# Altium PCB IFAT6.PcbDoc (part 1 of 5)
Units mil, origin at the board's own origin, x right, y up, seen from the top; angles counter-clockwise.
Board outline 8050 x 4300 mil, 6 copper layers (Top Digital, Digital, GND, Analog 1, Analog 2, Bottom Analog), stack 61.068 mil thick; 589 components, 259 nets, 1804 pads, 310 vias.
Unrouted connection lines stored in the file: 819.
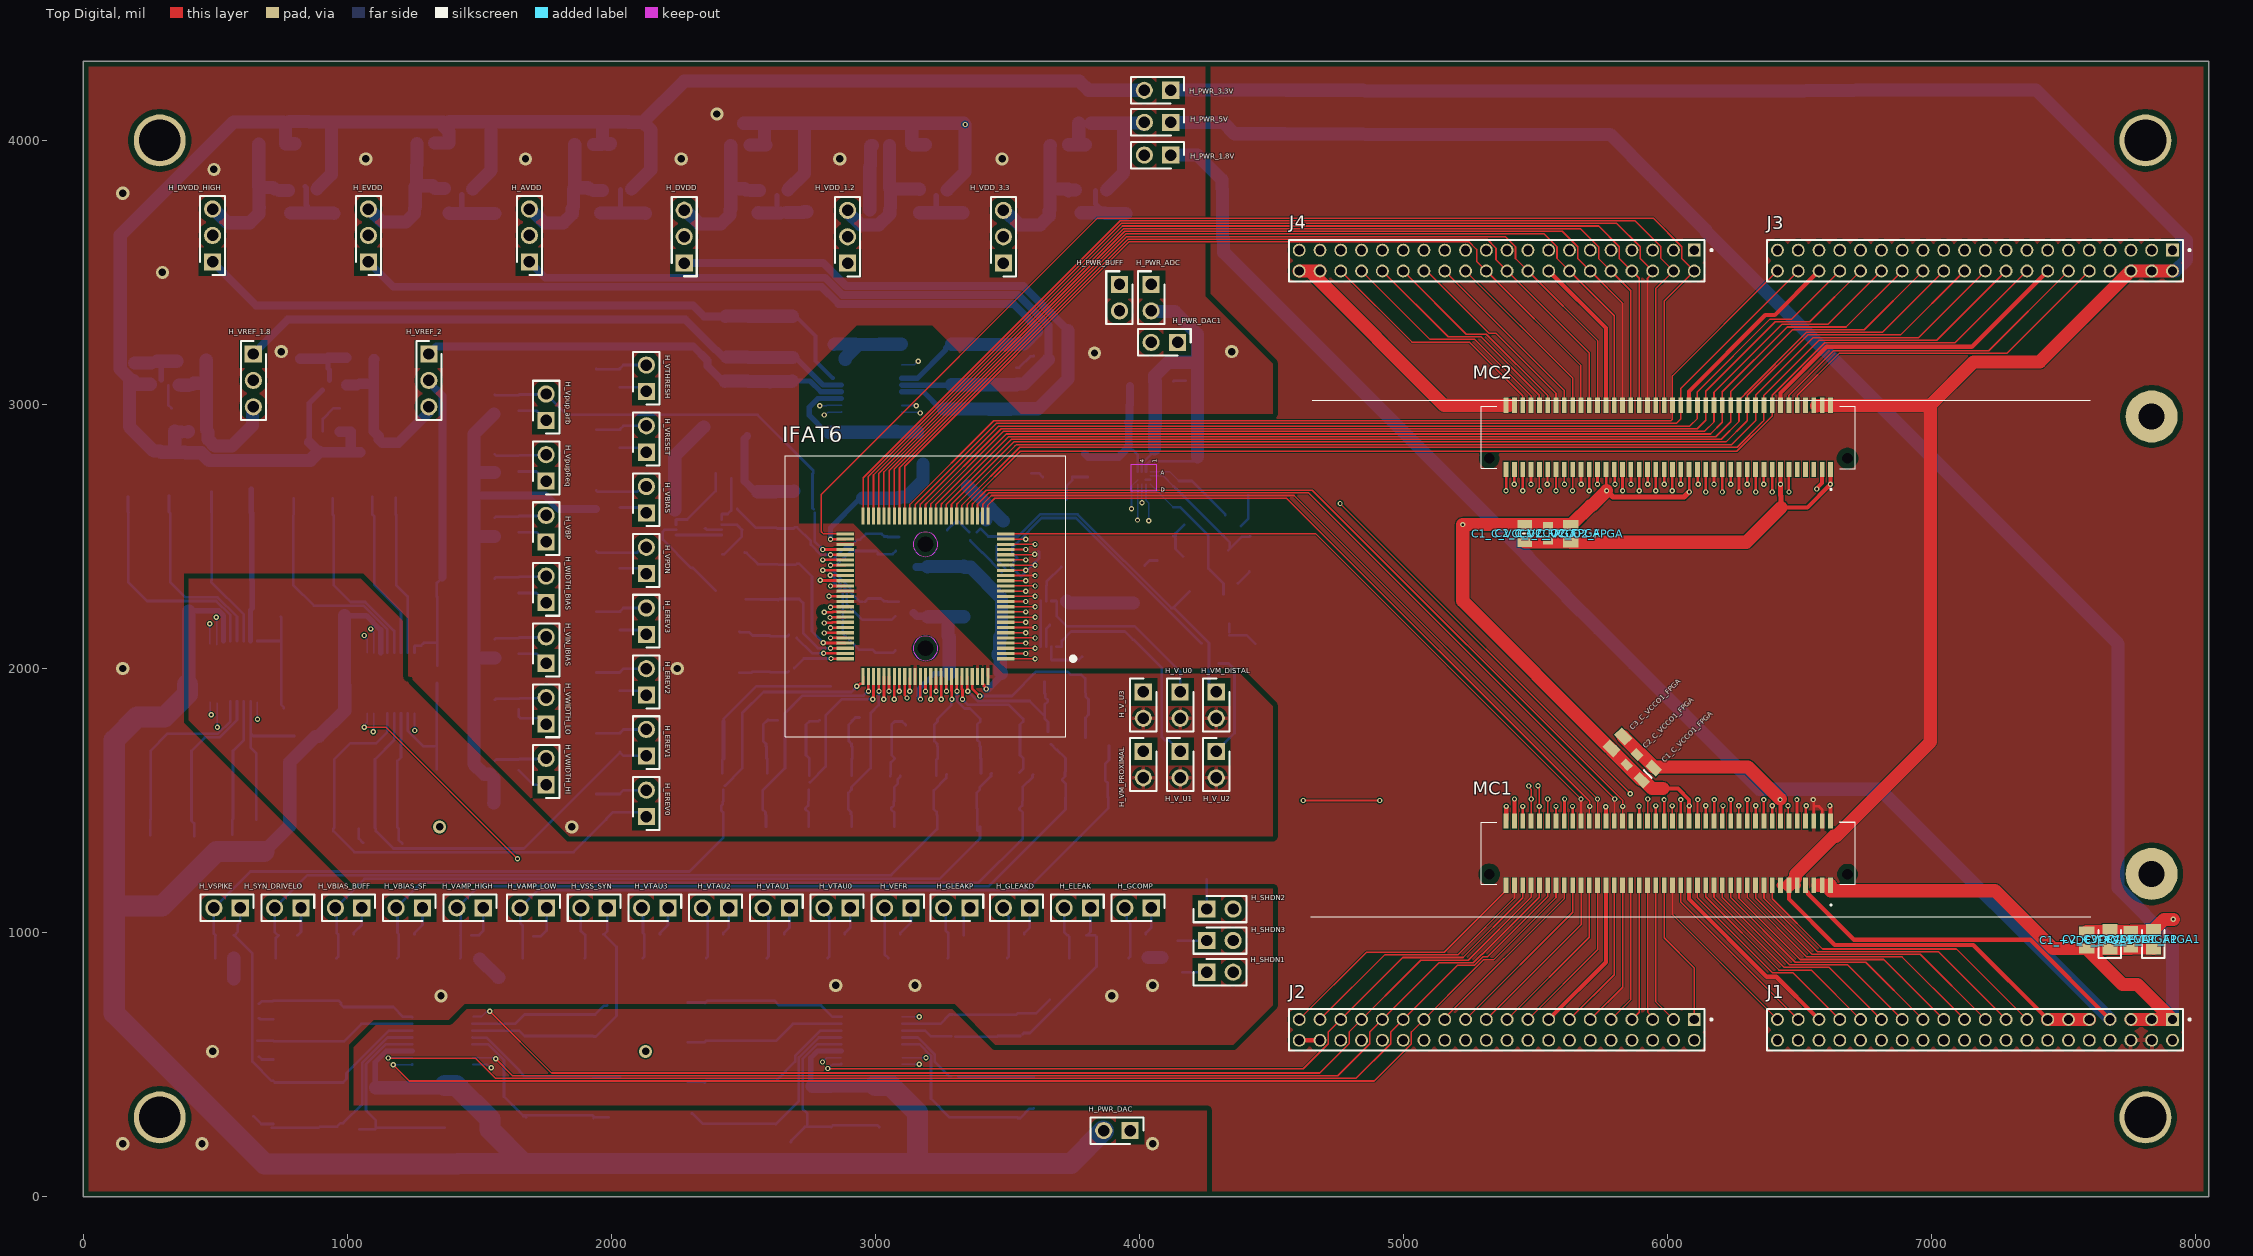
[diagram p0: Top Digital view]
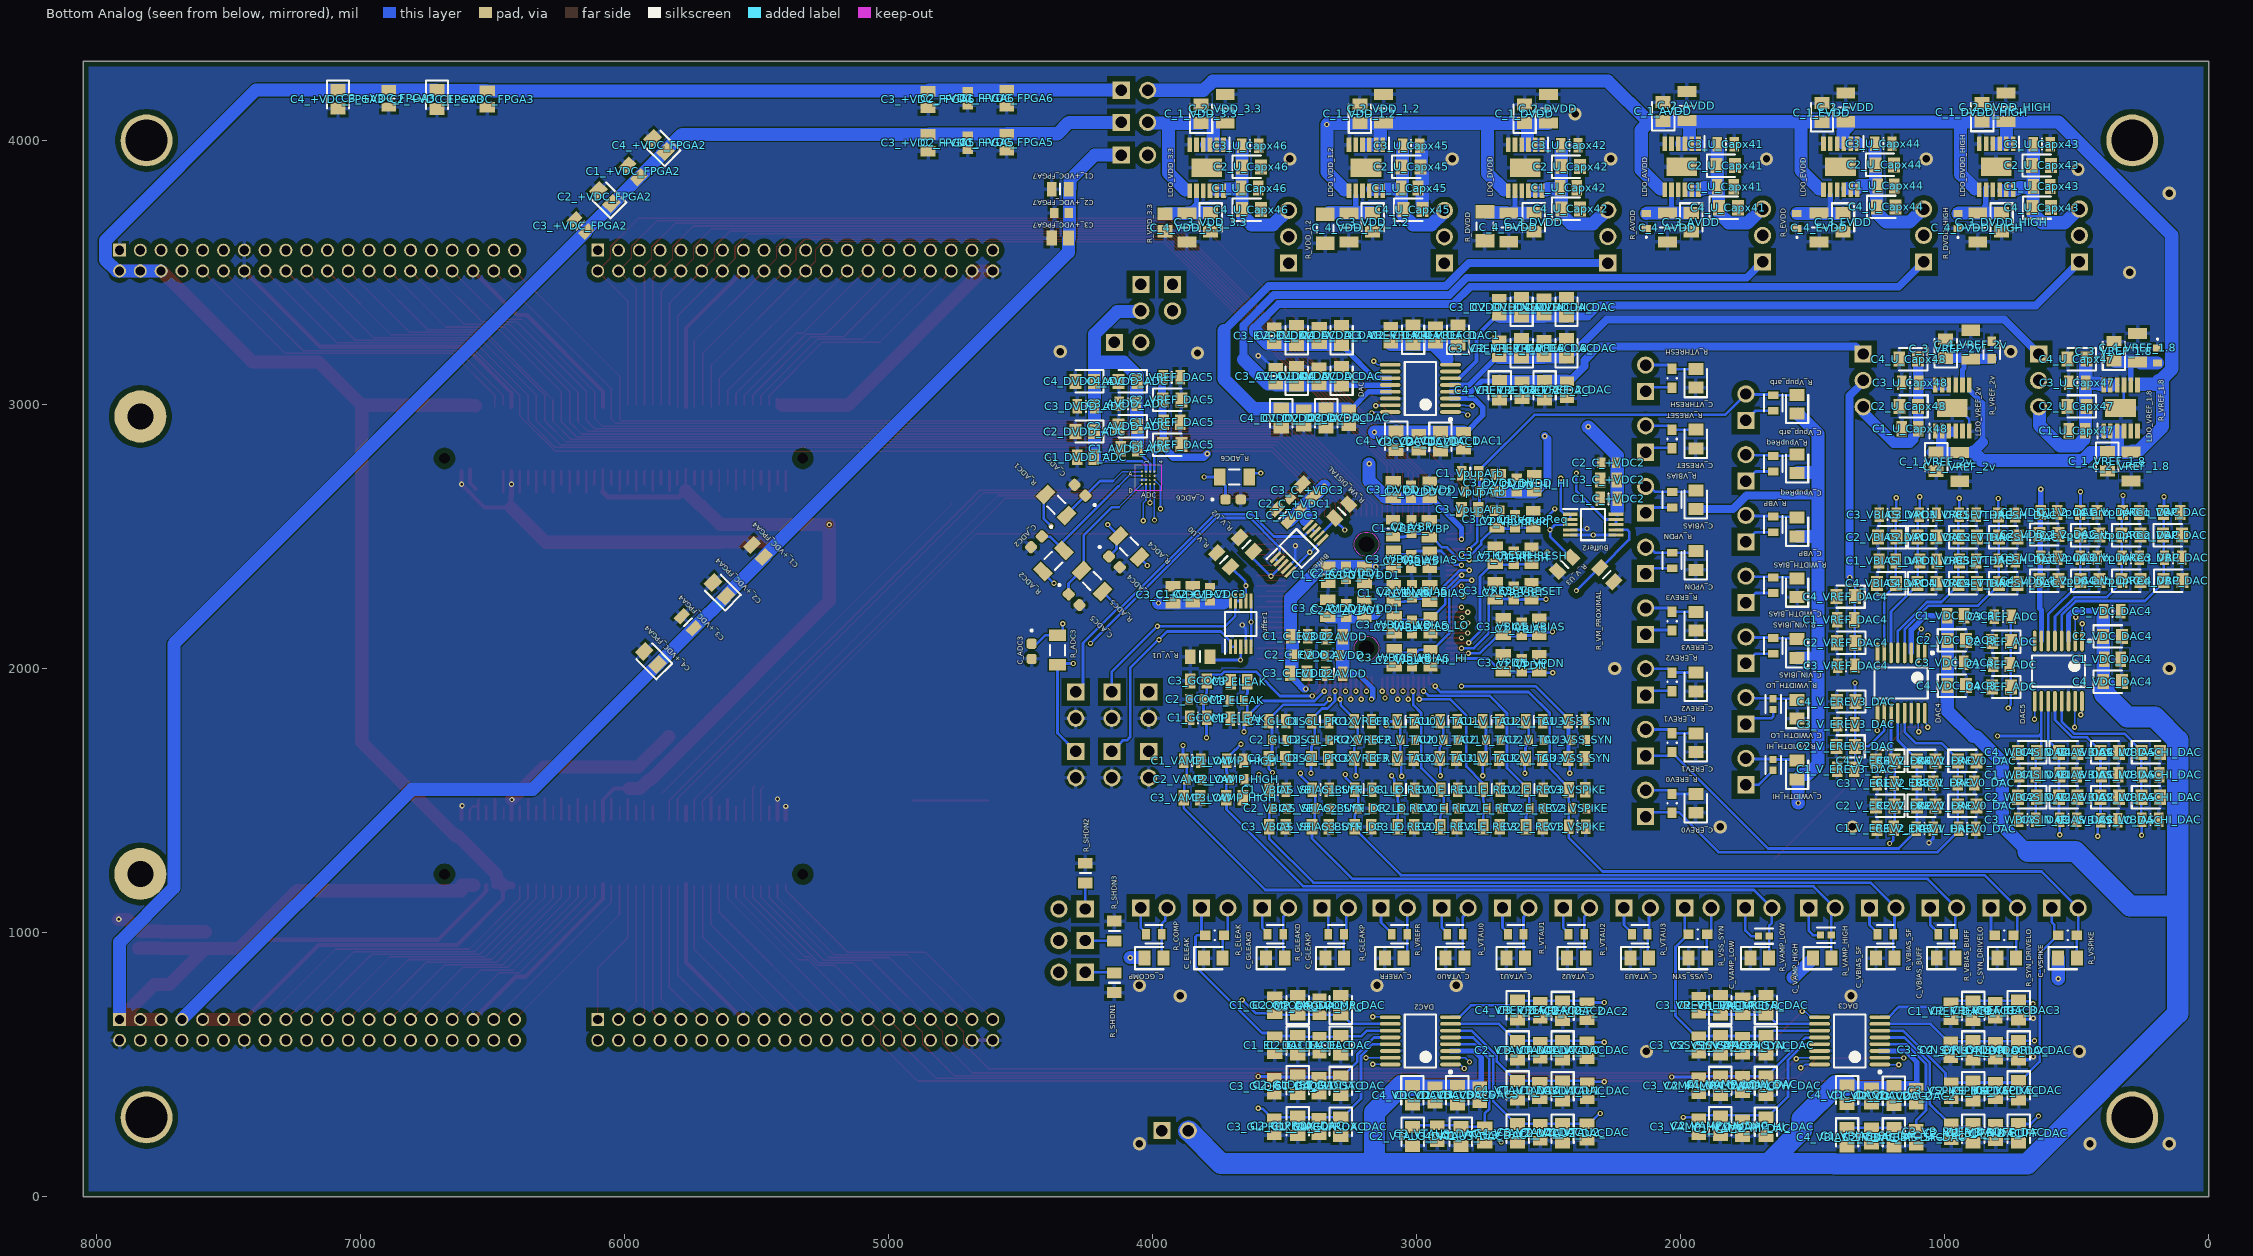
[diagram p1: Bottom Analog view, seen from below]
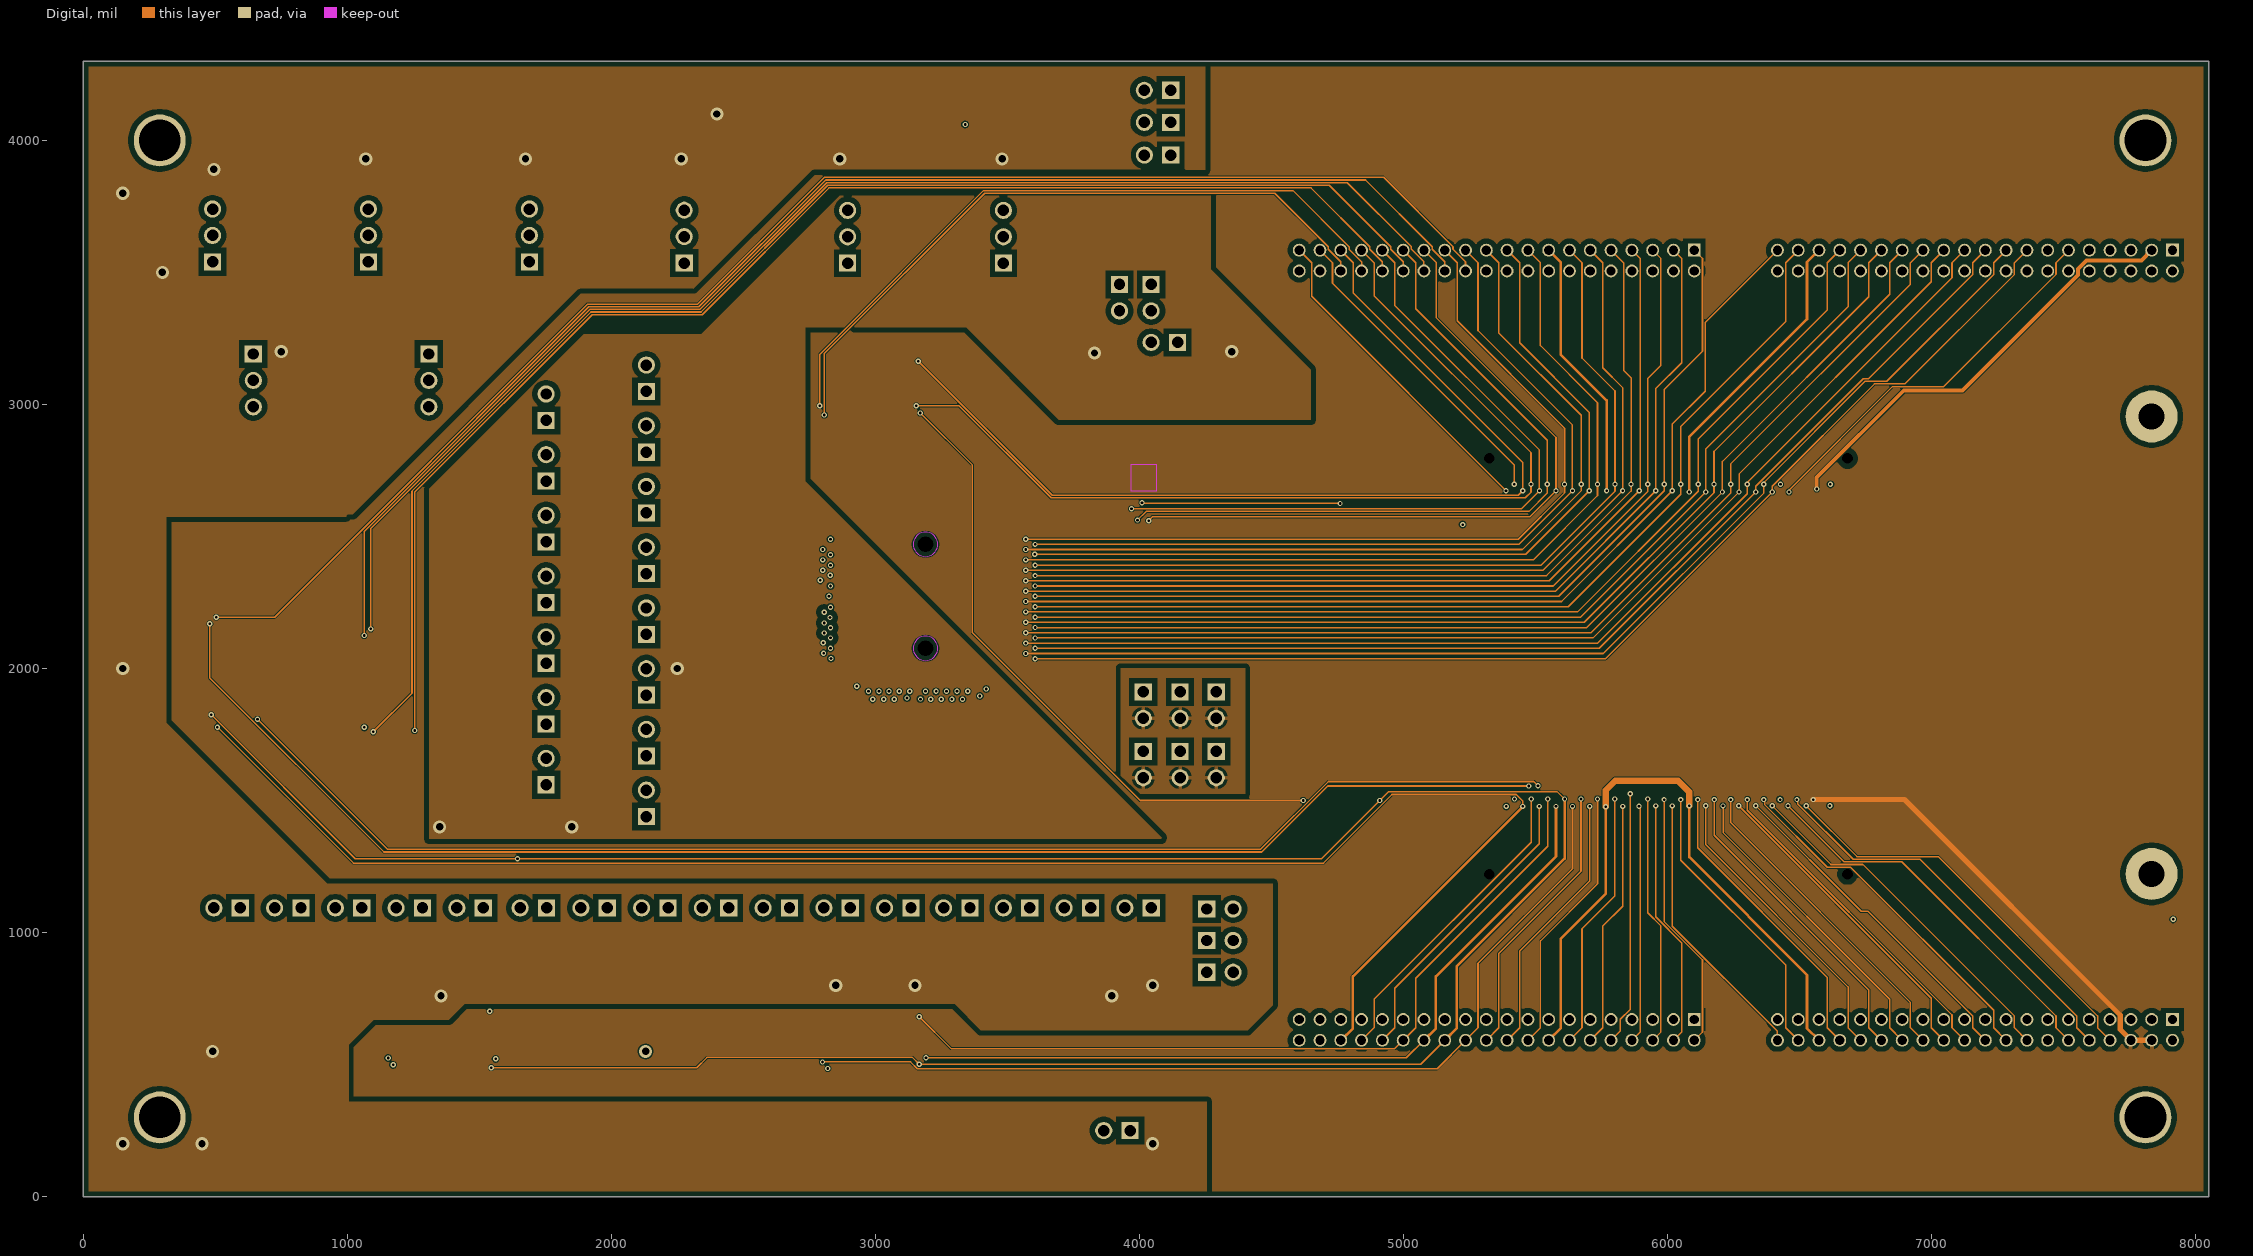
[diagram p2: Digital]
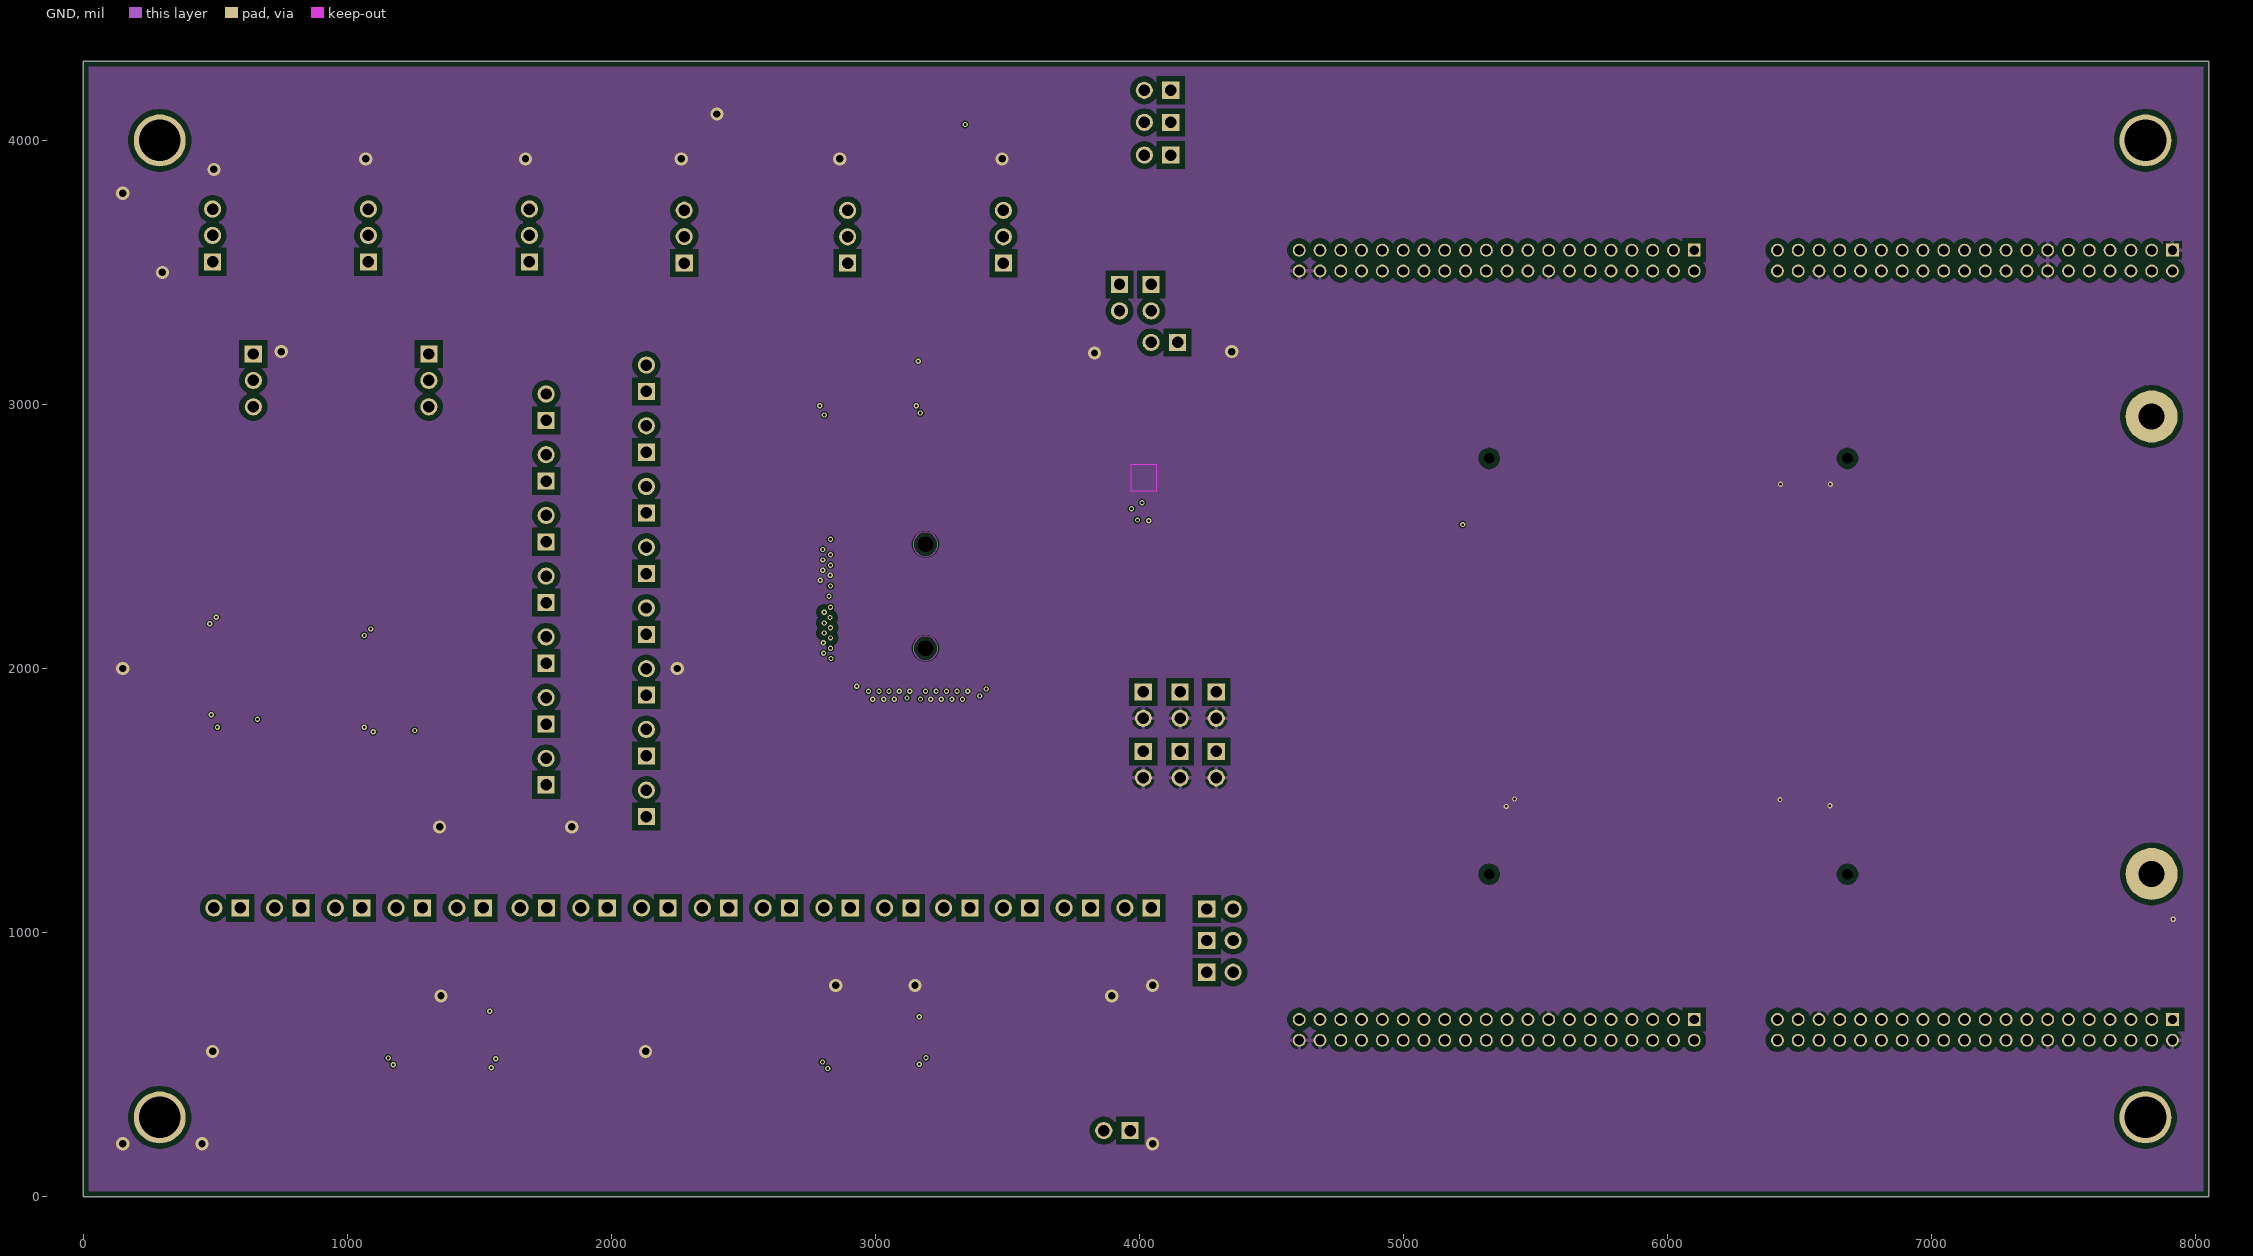
[diagram p3: GND]